# Altium PCB cyber60-mx.PcbDoc (part 1 of 4) (continued)
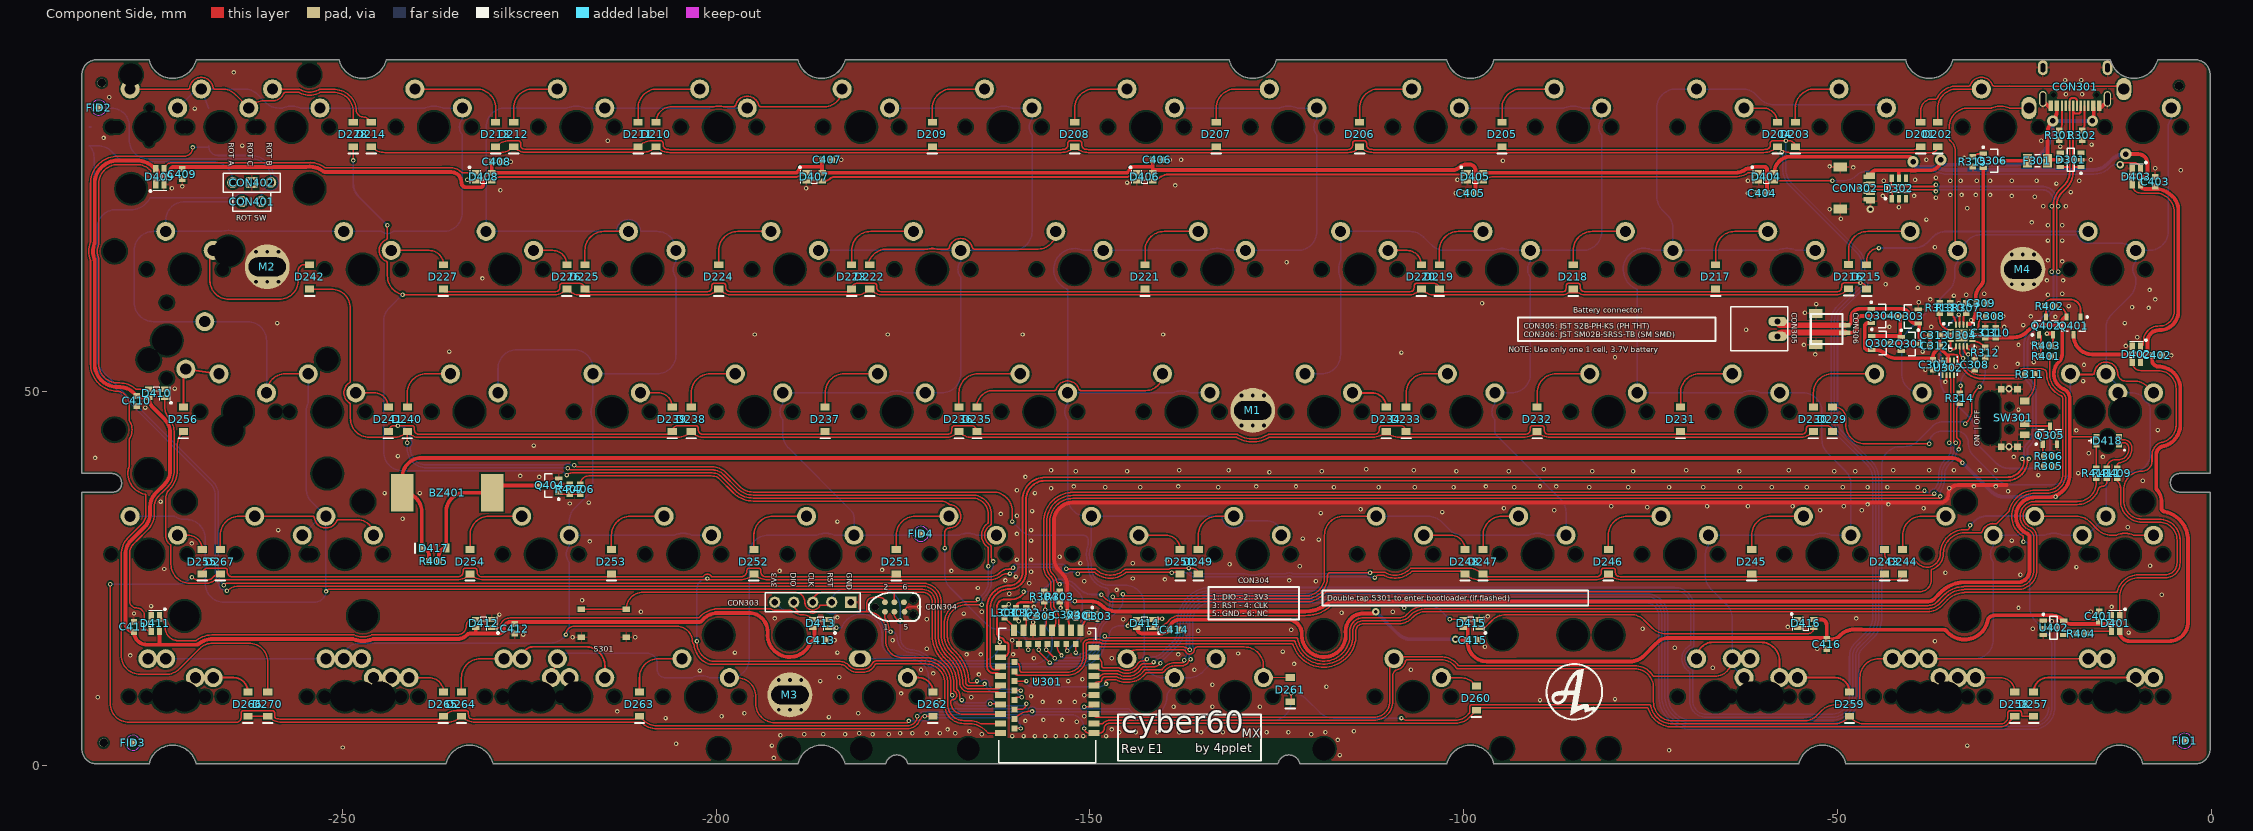
[diagram p0: Component Side view]
## Footprints (in the part's own frame and the unit in brackets; to place one, negate y for a bottom-side part, rotate by r counter-clockwise, add the part's x,y. Pads: shape width x height; smd on the part's side, far side on the other; paste and mask are expansions set on the pad)
8TDFN [mm] "Generated for the MAX17048G+T10"
  rect 0.25x0.8 smd: 1(-0.75,-0.945) 2(-0.25,-0.945) 3(0.25,-0.945) 4(0.75,-0.945) 5(0.75,0.945) 6(0.25,0.945) 7(-0.25,0.945) 8(-0.75,0.945)
  rect 1.2x0.69 smd: 9(0,0)
  silkscreen extent -1.25,-1.5 1.2,1.05, body extent -1.05,-1.1 1.05,1.1, height 0.8
"buzzer 12x12" [mm] "Buzzer"
  rect 3x5 smd: 1(-6,0) 2(6,0)
  body extent -6,-6 6,6, height 3.05
C0402[1005] [mm] "Chip Resistor, 2-Leads, Body 1,00x0,50mm, IPC Medium Density"
  rect 0.55x0.55 smd: 1(-0.45,0) 2(0.45,0)
  body extent -0.32,-0.27 0.33,0.28, height 0.5
C0603[1608] [mm] "Chip Resistor, 2-Leads, Body 1,57x0,80mm, IPC Medium Density"
  rect 0.8x0.85 smd: 1(-0.65,0) 2(0.65,0)
  body extent -0.83,-0.43 0.82,0.43, height 0.5
C1206[3216] [mm]
  rect 1.2x1.8 smd: 1(-1.35,0) 2(1.35,0)
  silkscreen extent -0.35,-0.8 0.35,0.8, body extent -1.6,-0.9 1.6,0.9, height 1.2
E73-2G4M08S1C [mm]
  rect 1.5x0.8 smd: 1(6.25,3.97) 2(6.25,5.24) 3(6.25,6.51) 4(6.25,7.78) 5(6.25,9.05) 6(6.25,10.32) 7(6.25,11.59) 8(6.25,12.86) 9(6.25,14.13) 10(6.25,15.4) 26(-6.25,15.4) 27(-6.25,14.13) 29(-6.25,12.86) 31(-6.25,11.59) 33(-6.25,10.32) 35(-6.25,9.05) 37(-6.25,7.78) 39(-6.25,6.51) 41(-6.25,5.24) 43(-6.25,3.97)
  rect 0.8x1.5 smd: 11(4.44,17.75) 13(3.17,17.75) 15(1.9,17.75) 17(0.63,17.75) 19(-0.64,17.75) 21(-1.91,17.75) 23(-3.18,17.75) 25(-4.45,17.75)
  rect 0.8x0.8 smd: 12(3.81,15.9) 14(2.54,15.9) 16(1.27,15.9) 18(0,15.9) 20(-1.27,15.9) 22(-2.54,15.9) 24(-3.81,15.9) 28(-4.4,13.495) 30(-4.4,12.225) 32(-4.4,10.955) 34(-4.4,9.685) 36(-4.4,8.415) 38(-4.4,7.145) 40(-4.4,5.875) 42(-4.4,4.605)
  silkscreen extent -6.5,0 6.5,18, body extent -6.6,0.02 6.4,18.02, height 3
EC11-SMD [mm]
  rect 1.5x2 smd: 1(-2.5,8) 2(2.5,8) A(-2.5,-8) B(2.5,-8) C(0,-8)
  rect 2.5x3 smd: M(-6.75,0)
  rect 2.5x2.2 smd: M(6.75,0.508)
  round 0 hole 1.2 unplated: ""(-2,0)
  round 0 hole 1.6 slot 2.2 at 90 deg unplated: ""(0,-4.5)
  round 0 hole 2.1 unplated: ""(0,0)
  round 0 hole 1 unplated: ""(2.5,0)
  body extent -7.5,-8.5 7.5,8.5, height 19.5
Fiducial_Nordic [mm]
  round 1 smd paste+0 mask+0.5: 0(0,0)
  Component Side keep-out circle w0.01: c0,0 r1
HDR1X2 [mm] "Connector; Header; 2 Position"
  round 1.5 hole 0.9: 1(0,0) 2(2.54,0)
  silkscreen extent -1.27,-1.27 3.81,1.27
HDR1X3 [mm] "Connector; Header; 3 Position"
  round 1.5 hole 0.9: 1(0,0) 3(5.08,0)
  rect 1.5x1.5 hole 0.9: 2(2.54,0)
  silkscreen extent -1.27,-1.27 6.35,1.27
HDR1X5 [mm] "Connector; Header; 5 Position"
  rect 1.5x1.5 hole 0.9 mask+0.102: 1(0,0)
  round 1.5 hole 0.9 mask+0.102: 2(2.54,0) 3(5.08,0) 4(7.62,0) 5(10.16,0)
  silkscreen extent -1.27,-1.27 11.43,1.27
"JST S2B-PH-K(LF)(SN)" [mm]
  oval 1.25x2.5 hole 0.8: 1(1,0) 2(-1,0)
  body extent -2.95,-1.35 2.95,6.25, height 4.8
"JST SM02B-SRSS-TB" [mm]
  rect 0.6x1.55 smd: 1(-0.5,0) 2(0.5,0)
  rect 1.2x1.8 smd: 3(-2.1,-3.875) 3(2.1,-3.875)
  silkscreen extent -2,-4.57 2,-0.33, body extent -1.99,-4.58 1.99,0.41, height 3
"KOREAN HROPARTS ELEC K3-1296S-E2" [mm]
  rect 1.25x0.9 smd: 1(-2.075,-2.25) 2(-2.075,0.75) 3(-2.075,2.25)
  rect 0.9x0.9 smd: M(-1.1,3.85) M(-1.1,-3.85) M(1.1,3.85) M(1.1,-3.85)
  round 0 hole 0.9 unplated: ""(0,1.5) ""(0,-1.5)
  body extent -2.2,-3.85 2.7,3.85, height 1.45
L0603[1608] [mm] "Chip Resistor, 2-Leads, Body 1,57x0,80mm, IPC Medium Density"
  rect 0.8x0.85 smd: 1(-0.65,0) 2(0.65,0)
  body extent -0.83,-0.43 0.82,0.43, height 0.5
MHT151RGBCT [mm] "For MHT151RGBCT/E6CC1205RGBC3UDA"
  rect 0.8x0.7 smd: 1(1.5,-0.55) 2(-1.5,0.55) 3(1.5,0.55) 4(-1.5,-0.55)
  round 0 hole 2.1 slot 3 at 90 deg unplated: ""(0,0)
  silkscreen extent -2.57,-1.34 2.34,0.3, body extent -1.6,-0.8 1.6,0.8, height 0.33
mounting_hole [mm]
  round 1 hole 0.5 paste+0 mask+0: 1(-1.5,-2) 1(-1.5,2) 1(0,-2) 1(0,2) 1(1.5,-2) 1(1.5,2)
  round 6 hole 2.5 slot 5 at 0 deg mask+0: 1(0,0)
MX-switch#1 [mm]
  round 2.54 hole 1.499 mask+0.102: 1(-3.81,2.54) 2(2.54,5.08)
  round 1 hole 1.702 unplated: ""(-5.08,0) ""(5.08,0)
  round 1 hole 3.988 unplated: ""(0,0)
MX-switch#2 [mm]
  round 2.54 hole 1.5 mask+0.102: 1(-3.81,2.54) 2(2.54,5.08)
  round 1 hole 1.7 unplated: ""(-5.08,0) ""(5.08,0)
  round 1 hole 4 unplated: ""(0,0)
MX-switch#3 [mm]
  round 2.54 hole 1.499 mask+0.102: 1(-3.81,2.54) 2(2.54,5.08)
  round 1 hole 3.988 unplated: ""(0,0)
  round 1 hole 1.702 unplated: ""(5.08,0)
MX-switch#4 [mm]
  round 2.54 hole 1.499 mask+0.102: 1(-3.81,2.54) 2(2.54,5.08)
  round 1 hole 1.702 unplated: ""(-5.08,0)
  round 1 hole 3.988 unplated: ""(0,0)
"MX-switch - 1.5U" [mm]
  round 2.54 hole 1.499 mask+0.102: 1(-3.81,2.54) 2(2.54,5.08)
  round 1 hole 1.702 unplated: ""(-5.08,0) ""(5.08,0)
  round 1 hole 3.988 unplated: ""(0,0)
  round 1 on Mech14: ""(0,0)
"MX-switch - 1.5U - switched pol" [mm]
  round 2.54 hole 1.499 mask+0.102: 1(2.54,5.08) 2(-3.81,2.54)
  round 1 hole 1.702 unplated: ""(-5.08,0) ""(5.08,0)
  round 1 hole 3.988 unplated: ""(0,0)
  round 1 on Mech14: ""(0,0)
"MX-switch - 1.5u MOD-L" [mm]
  round 2.54 hole 1.499 mask+0.102: 1(-6.191,2.54) 1(-3.81,2.54) 2(0.159,5.08) 2(2.54,5.08)
  round 1 hole 1.702 unplated: ""(-7.461,0) ""(-5.08,0) ""(2.699,0) ""(5.08,0)
  round 1 on Mech14: ""(-4.763,0) ""(-2.381,0) ""(0,0) ""(4.763,0)
  round 1 hole 3.988 unplated: ""(-2.381,0) ""(0,0)
"MX-switch - 1.5u MOD-R"#1 [mm]
  round 2.54 hole 1.499 mask+0.102: 1(-3.81,2.54) 1(-1.429,2.54) 2(2.54,5.08) 2(4.921,5.08)
  round 1 hole 1.702 unplated: ""(-2.699,0) ""(5.08,0) ""(7.461,0)
  round 1 on Mech14: ""(-2.381,0) ""(0,0) ""(2.381,0) ""(4.763,0)
  round 1 hole 3.988 unplated: ""(0,0) ""(2.381,0)
"MX-switch - 1.5u MOD-R"#2 [mm]
  round 2.54 hole 1.499 mask+0.102: 1(-3.81,2.54) 1(-1.429,2.54) 2(2.54,5.08) 2(4.921,5.08)
  round 1 hole 1.702 unplated: ""(-5.08,0) ""(-2.699,0) ""(5.08,0) ""(7.461,0)
  round 1 on Mech14: ""(-2.381,0) ""(0,0) ""(2.381,0) ""(4.763,0)
  round 1 hole 3.988 unplated: ""(0,0) ""(2.381,0)
"MX-switch - 1u MOD-L" [mm]
  round 2.54 hole 1.499 mask+0.102: 1(-6.191,2.54) 1(-3.81,2.54) 2(0.159,5.08) 2(2.54,5.08)
  round 1 hole 1.702 unplated: ""(-7.461,0) ""(-5.08,0) ""(5.08,0)
  round 1 hole 3.988 unplated: ""(-2.381,0) ""(0,0)
  round 1 on Mech14: ""(-2.381,0) ""(0,0) ""(2.381,0)
"MX-switch - 1u MOD-R" [mm]
  round 2.54 hole 1.499 mask+0.102: 1(-3.81,2.54) 1(-1.429,2.54) 2(2.54,5.08) 2(4.921,5.08)
  round 1 hole 1.702 unplated: ""(-5.08,0) ""(5.08,0) ""(7.461,0)
  round 1 on Mech14: ""(-4.763,0) ""(-2.381,0) ""(0,0) ""(2.381,0)
  round 1 hole 3.988 unplated: ""(0,0) ""(2.381,0)
"MX-switch - 2.75U - rotated stab"#1 [mil]
  round 100 hole 59 mask+4: 1(-150,100) 2(100,200)
  round 60 hole 120 unplated: ""(-470,-275) ""(470,-275)
  round 60 hole 157.01 unplated: ""(-470,325) ""(470,325)
  round 39.37 hole 67.01 unplated: ""(-200,0) ""(200,0)
  round 39.37 hole 157.01 unplated: ""(0,0)
  round 39.37 on Mech14: ""(0,0)
"MX-switch - 2.75U - rotated stab"#2 [mil]
  round 100 hole 59 mask+4: 1(-150,100)
  oval 118.11x86.61 hole 59 mask+4: 2(100,200)
  round 60 hole 120 unplated: ""(-470,-275) ""(470,-275)
  round 60 hole 157.01 unplated: ""(-470,325) ""(470,325)
  round 39.37 hole 67.01 unplated: ""(-200,0) ""(200,0)
  round 39.37 hole 157.01 unplated: ""(0,0)
  round 39.37 on Mech14: ""(0,0)
"MX-SWITCH - BACKSPACE" [mil]
  round 100 hole 59 mask+4: 1(100,200) 1(225,100) 2(-150,100) 2(475,200)
  round 60 hole 157.01 unplated: ""(-470,-325) ""(470,-325)
  round 60 hole 120 unplated: ""(-470,275) ""(470,275)
  round 39.37 hole 67.01 unplated: ""(-200,0) ""(175,0) ""(200,0) ""(575,0)
  round 39.37 hole 157.01 unplated: ""(0,0) ""(375,0)
  round 39.37 on Mech14: ""(0,0) ""(375,0)
"MX-switch - CAPS" [mm]
  round 2.54 hole 1.499 mask+0.102: 1(-8.572,2.54) 1(2.54,5.08) 2(-3.81,2.54) 2(-2.222,5.08)
  round 1 hole 1.702 unplated: ""(-9.842,0) ""(5.08,0)
  round 1 hole 3.988 unplated: ""(-4.763,0) ""(0,0)
  round 1 on Mech14: ""(-4.763,0) ""(0,0)
"MX-switch - Left shift" [mil]
  round 100 hole 59 mask+4: 1(-525,100) 1(100,200) 2(-275,200) 2(-150,100)
  round 39.37 hole 67.01 unplated: ""(-575,0) ""(-200,0) ""(-175,0) ""(200,0)
  round 60 hole 157.01 unplated: ""(-470,-325) ""(470,-325)
  round 60 hole 120 unplated: ""(-470,275) ""(470,275)
  round 39.37 hole 157.01 unplated: ""(-375,0) ""(0,0)
  round 39.37 on Mech14: ""(-375,0) ""(0,0)
"MX-switch - right shift" [mil]
  round 100 hole 59 mask+4: 1(-525,100) 1(100,200) 2(-275,200) 2(-150,100)
  round 39.37 hole 67.01 unplated: ""(-575,0) ""(-200,0) ""(-175,0) ""(200,0)
  round 60 hole 157.01 unplated: ""(-470,-325) ""(470,-325)
  round 60 hole 120 unplated: ""(-470,275) ""(470,275)
  round 39.37 hole 157.01 unplated: ""(-375,0) ""(0,0)
  round 39.37 on Mech14: ""(-375,0) ""(0,0)
"MX-switch - Space_V2" [mil]
  round 100 hole 59 mask+4: 1(-368.75,200) 1(-150,100) 2(-618.75,100) 2(100,200)
  round 60 hole 120 unplated: ""(-2437.4,-275) ""(-2250,-275) ""(1499.61,-275) ""(2250,-275)
  round 60 hole 157.01 unplated: ""(-2437.4,325) ""(-2250,325) ""(1499.61,325) ""(2250,325)
  round 39.37 hole 67.01 unplated: ""(-668.75,0) ""(-268.75,0) ""(-200,0) ""(200,0)
  round 39.37 hole 157.01 unplated: ""(-468.75,0) ""(0,0)
  round 39.37 on Mech14: ""(-468.75,0) ""(0,0)
"MX-SWITCH - SWITCHED POL"#1 [mm]
  oval 2x3 hole 1.499 mask+0.102: 1(2.54,5.08)
  round 2.54 hole 1.499 mask+0.102: 2(-3.81,2.54)
  round 1 hole 1.702 unplated: ""(-5.08,0) ""(5.08,0)
  round 1 hole 3.988 unplated: ""(0,0)
"MX-SWITCH - SWITCHED POL"#2 [mm]
  round 2.54 hole 1.499 mask+0.102: 1(2.54,5.08) 2(-3.81,2.54)
  round 1 hole 1.702 unplated: ""(-5.08,0) ""(5.08,0)
  round 1 hole 3.988 unplated: ""(0,0)
"MX-switch - switched pol"#1 [mm]
  round 2.54 hole 1.499 mask+0.102: 1(2.54,5.08) 2(-3.81,2.54)
  round 1 hole 1.702 unplated: ""(-5.08,0) ""(5.08,0)
  round 1 hole 3.988 unplated: ""(0,0)
"MX-switch - switched pol"#2 [mm]
  round 2.54 hole 1.5 mask+0.102: 1(2.54,5.08) 2(-3.81,2.54)
  round 1 hole 1.7 unplated: ""(-5.08,0) ""(5.08,0)
  round 1 hole 4 unplated: ""(0,0)
"MX-switch - switched pol"#3 [mm]
  round 2.54 hole 1.499 mask+0.102: 1(2.54,5.08) 2(-3.81,2.54)
  round 1 hole 3.988 unplated: ""(0,0)
  round 1 hole 1.702 unplated: ""(5.08,0)
"MX-switch - switched pol - connector" [mm]
  round 2.54 hole 1.499 mask+0.102: 1(2.54,5.08)
  oval 2x3 hole 1.499 mask+0.102: 2(-3.81,2.54)
  round 1 hole 1.702 unplated: ""(-5.08,0) ""(5.08,0)
  round 1 hole 3.988 unplated: ""(0,0)
QFN16 [mm] "Generated for BQ24075RGTR"
  oval 0.85x0.25 smd: 1(-1.45,0.75) 2(-1.45,0.25) 3(-1.45,-0.25) 4(-1.45,-0.75) 9(1.45,-0.75) 10(1.45,-0.25) 11(1.45,0.25) 12(1.45,0.75)
  oval 0.25x0.85 smd: 5(-0.75,-1.45) 6(-0.25,-1.45) 7(0.25,-1.45) 8(0.75,-1.45) 13(0.75,1.45) 14(0.25,1.45) 15(-0.25,1.45) 16(-0.75,1.45)
  rect 1.6x1.6 smd: 17(0,0)
  silkscreen extent -2.5,-1.73 1.73,1.73, body extent -1.66,-1.66 1.66,1.66, height 1
R0603[1608] [mm] "Chip Resistor, 2-Leads, Body 1,57x0,80mm, IPC Medium Density"
  rect 0.8x0.85 smd: 1(-0.65,0) 2(0.65,0)
  body extent -0.83,-0.43 0.82,0.43, height 0.5
SOD-123 [mm]
  rect 0.91x1.22 smd: 1(1.635,0) 2(-1.635,0)
  silkscreen extent -2.54,-0.64 -2.54,0.63, body extent -1.87,-0.85 1.88,0.85, height 1.2
SOT-23-3 [mm] "3.3v regulator, used in Windsond S2 proto 1"
  rect 1x0.55 smd: 1(1.2,-0.95) 2(1.2,0.95) 3(-1.2,0)
  silkscreen extent -0.7,-1.95 1.32,1.55, body extent -1.1,-1.5 1.45,1.5, height 1
SOT-23-5 [mm]
  rect 0.55x1 smd: 1(-0.95,-1.375) 2(0,-1.375) 3(0.95,-1.375) 4(0.95,1.375) 5(-0.95,1.375)
  silkscreen extent -1.92,-1.5 1.55,0.46, body extent -1.5,-1.6 1.5,1.6, height 0.92
SOT-23-6 [mm]
  rect 1x0.55 smd: 1(1.375,-0.95) 2(1.375,0) 3(1.375,0.95) 4(-1.375,0.95) 5(-1.375,0) 6(-1.375,-0.95)
  silkscreen extent -0.46,-1.92 1.5,1.55, body extent -1.47,-1.49 1.37,1.44, height 1.05
"Stab 2u" [mil]
  round 60 hole 157.48 unplated: ""(-470,-325) ""(470,-325)
  round 60 hole 120 unplated: ""(-470,275) ""(470,275)
  round 39.37 on Mech14: ""(0,0) ""(0,0)
TC2030-IDC-NL [mm] "Tag-Connect 6-Pin with No Legs (PN# TC2030-IDC-NL)"
  round 0.9 hole 0.995 unplated: 0(-2.54,0) 0(2.54,-1.016) 0(2.54,1.016)
  round 0.79 smd paste-0.39: 1(-1.27,-0.635) 2(-1.27,0.635) 3(0,-0.635) 4(0,0.635) 5(1.35,-0.635) 6(1.27,0.635)
  silkscreen extent -3.43,-1.91 3.43,1.9
TYPE-C-31-M-12 [mm]
  rect 0.6x1.45 smd: A1B12(-3.25,0) A4B9(-2.45,0) B1A12(3.25,0) B4A9(2.45,0)
  rect 0.3x1.45 smd: A5(-1.25,0) A6(-0.25,0) A7(0.25,0) A8(1.25,0) B5(1.75,0) B6(0.75,0) B7(-0.75,0) B8(-1.75,0)
  oval 1x2.1 / inner oval 1.3x2.4 / far side oval 1.3x2.4 hole 0.6 slot 1.7 at 90 deg: S1(-4.32,-0.915)
  oval 1.3x2 hole 0.6 slot 1.2 at 90 deg: S1(-4.32,-5.095) S1(4.32,-5.095)
  oval 1x2.1 hole 0.6 slot 1.7 at 90 deg: S1(4.32,-0.915)
  round 0 hole 0.65 unplated: ""(-2.89,-1.445) ""(2.89,-1.445)
  body extent -4.47,-7.72 4.47,0.18, height 3.21
UDB_COMBO_JST_MOLEX [mm]
  rect 0.6x1.2 smd: 1(-1.8,2.2) 2(-0.6,2.2) 3(0.6,2.2) 4(1.8,2.2)
  rect 0.6x1.55 smd: 1(-1.5,2.021) 2(-0.5,2.021) 3(0.5,2.021) 4(1.5,2.021)
  rect 0.85x1 smd: 5(-2.94,-1.887) 5(2.94,-1.887)
  rect 1.2x1.8 smd: 5(-2.8,-1.854) 5(2.8,-1.854)
  body extent -3.01,-2.62 2.99,2.33, height 2.96
"WS2812B - 2020" [mm]
  rect 1x0.7 smd: 1(1.065,0.55) 2(-1.065,0.55) 3(-1.065,-0.55) 4(1.065,-0.55)
  silkscreen extent -2.03,-0.89 0.38,1.4, body extent -1.1,-1 1.1,1, height 0.86
"XKB SWITCH" [mm] "XKB Enterprise TS-1187A-C-D-B"
  rect 1x0.75 smd: 1(-3,1.875) 1(3,1.875) 2(-3,-1.875) 2(3,-1.875)
  body extent -3.25,-2.55 3.25,2.55, height 2
XTAL-2012 [mm]
  rect 0.7x1.4 smd: 1(-0.75,0) 2(0.75,0)
  silkscreen extent -1.57,-1.19 -1.32,-0.94

## Part data
BZ401: library part Speaker, "Loudspeaker", LCSC MFG=Fengming, LCSC Part #=C409829, MRF.Part=YS-SBZ1230
C301 C307 C309 C401 C402 C403 C404 C405 C406 C407 C408 C409 C410 C411 C412 C413 C414 C415 C416: library part Cap, "Capacitor", LCSC MFG=YAGEO, LCSC Part #=C14663, MRF.Part=CC0603KRX7R9BB104, Version="0603 imperial"
  C401 C402 C403 C404 C405 C406 C407 C408 C409 C410 C411 C412 C413 C414 C415 C416: MFG=KEMET, MFGPN=C0603C104M5RACTU
C302 C311 C313: library part Cap, "Capacitor", LCSC MFG="Samsung Electro-Mechanics", LCSC Part #=C19666, MRF.Part=CL10A475KO8NNNC
  C302: Version="0603 imperial"
C303 C304: library part Cap, "Capacitor", LCSC MFG="FH (Guangdong Fenghua Advanced Tech)", LCSC Part #=C1547, MRF.Part=0402CG120J500NT, Version=0402
C305 C308 C310 C312: library part Cap, "Capacitor", LCSC MFG="Samsung Electro-Mechanics", LCSC Part #=C15849, MRF.Part=CL10A105KB8NNNC, Version="0603 imperial"
CON301: LCSC MFG="Korean Hroparts Elec", LCSC Part #=C165948, MFG="Korean Hroparts Elec", MFGPN=TYPE-C-31-M-12, MRF.Part=TYPE-C-31-M-12
CON302: "JST for USB daughter board", LCSC MFG="JST Sales America", LCSC Part #=C160404, MFG="JST Sales America Inc.", MFGPN=SM04B-SRSS-TB(LF)(SN), MRF.Part=SM04B-SRSS-TB(LF)(SN)
CON303: "Header, 5-Pin"
CON304: library part "Header 3X2", "Header, 3-Pin, Dual row"
CON305: library part "Header 2", "Header, 2-Pin", LCSC MFG="JST Sales America", LCSC Part #=C265016, MRF.Part=S2B-PH-K(LF)(SN)
CON306: library part "JST S2B-PH-SM4-TB", LCSC MFG="JST Sales America", LCSC Part #=C160402, MRF.Part=SM02B-SRSS-TB(LF)(SN)
CON401: "Header, 2-Pin"
CON402: "Header, 3-Pin"
D201 D202 D203 D204 D205 D206 D207 D208 D209 D210 D211 D212 D213 D214 D215 D216 D217 D218 D219 D220 D221 D222 D223 D224 D225 D226 D227 D228 D229 D230 D231 D232 D233 D234 D235 D236 D237 D238 D239 D240 D241 D242 D243 D244 D245 D246 D247 D248 D249 D250 D251 D252 D253 D254 D255 D256 D257 D258 D259 D260 D261 D262 D263 D264 D265 D266 D267 D270: "Default Diode", LCSC MFG=ST(Semtech), LCSC Part #=C81598, MRF.Part=1N4148W, Version=SOD-123
D301 D302: LCSC MFG="ProTek Devices", LCSC Part #=C85364, MRF.Part=SRV05-4-P-T7
D401 D402 D403 D404 D405 D406 D407 D408 D409 D410 D411 D412 D413 D414 D415 D416: LCSC MFG=Worldsemi, LCSC Part #=C965556, MRF.Part=WS2812C-2020
D417: library part Diode, "Default Diode", LCSC MFG="Changjiang Electronics Tech (CJ)", LCSC Part #=C8598, MRF.Part=B5819W, Version=SOD-123
D418: LCSC MFG=EKINGLUX, LCSC Part #=C2802677, MRF.Part=E6CC1205RGBC3UDA
F301: "Thermal Fuse", LCSC MFG="Shenzhen JDT Fuse", LCSC Part #=C135338, MFG="Bel Fuse Inc.", MFGPN=0ZCJ0050FF2G, MRF.Part=ASMD1206-050
L301: LCSC MFG="Taiyo Yuden", LCSC Part #=C92982, MRF.Part=CBMF1608T100K
Q301 Q303 Q305 Q402 Q404: library part MOSFET-N, "N-Channel MOSFET", LCSC MFG="Changjiang Electronics Tech (CJ)", LCSC Part #=C8545, MRF.Part=2N7002
Q302 Q304 Q306 Q401: library part PMOS-2, "P-Channel Power MOSFET", LCSC MFG="Vishay Intertech", LCSC Part #=C10487, MRF.Part=SI2301CDS-T1-GE3, Note="Pin 4 not drawn and electrically connected to Pin 2."
R301 R302: "Resistor", LCSC MFG="Uniroyal Elec", LCSC Part #=C23186, MFG="Panasonic Electronic Components", MFGPN=ERJ-3EKF5101V, MRF.Part=0603WAF5101T5E, Version="0603 imperial"
R303 R304 R306 R311 R312 R313 R314: "Resistor", LCSC MFG="Uniroyal Elec", LCSC Part #=C25804, MRF.Part=0603WAF1002T5E, Version="0603 imperial"
R305: "Resistor", LCSC MFG="UNI-ROYAL(Uniroyal Elec)", LCSC Part #=C22775, MRF.Part=0603WAF1000T5E, Version="0603 imperial"
R307: "Resistor", LCSC MFG="UNI-ROYAL(Uniroyal Elec)", LCSC Part #=C25819, MRF.Part=0603WAF4702T5E, Version="0603 imperial"
R308 R315: "Resistor", LCSC MFG="UNI-ROYAL(Uniroyal Elec)", LCSC Part #=C22843, MRF.Part=0603WAF1501T5E, Version="0603 imperial"
R310: "Resistor", LCSC MFG="UNI-ROYAL(Uniroyal Elec)", LCSC Part #=C23018, MRF.Part=0603WAF3901T5E, Version="0603 imperial"
R401 R404 R406 R409 R410 R411: "Resistor", LCSC MFG="Uniroyal Elec", LCSC Part #=C23138, MRF.Part=0603WAF3300T5E, Version="0603 imperial"
R402: "Resistor", LCSC MFG="Uniroyal Elec", LCSC Part #=C22976, MRF.Part=0603WAF2004T5E, Version="0603 imperial"
R403: "Resistor", LCSC MFG="Uniroyal Elec", LCSC Part #=C22935, MRF.Part=0603WAF1004T5E, Version="0603 imperial"
R405: "Resistor", LCSC MFG="Uniroyal Elec", LCSC Part #=C23228, MRF.Part=0603WAF6800T5E, Version="0603 imperial"
R407: "Resistor", LCSC MFG="Uniroyal Elec", LCSC Part #=C25803, MRF.Part=0603WAF1003T5E, Version="0603 imperial"
S201 S202 S203 S204 S205 S206 S207 S208 S209 S210 S211 S212 S213 S214 S216 S217 S218 S219 S220 S221 S222 S223 S224 S225 S226 S227 S228 S229 S230 S231 S232 S233 S234 S235 S236 S237 S238 S239 S240 S241 S242 S243 S244 S245 S246 S247 S248 S249 S250 S251 S252 S253 S254 S255 S256 S256_1 S257 S258 S258_1 S259 S259_1 S260 S261 S262 S263 S264 S264_1 S265 S265_1 S266 S267: library part SW-PB, "Switch"
S215: library part SW-PB, "TAB"
S301: "Switch", LCSC MFG="XKB Enterprise", LCSC Part #=C318888, MRF.Part=TS-1187A-C-D-B
SW301: LCSC MFG="Korean Hroparts Elec", LCSC Part #=C136659, MFGPN=K3-1296S-E2
U301: LCSC MFG="Chengdu Ebyte Elec Tech", LCSC Part #=C356849, MRF.Part=E73-2G4M08S1C
U302: LCSC MFG="Analog Devices Inc./Maxim Integrated", LCSC Part #=C2682616, MRF.Part=MAX17048G+T10
U304: LCSC MFG="Texas Instruments", LCSC Part #=C15464, MRF.Part=BQ24075RGTR
U401: library part EC-11
U402: "SN74LV1T125 or SN74LV1T34. Connect OE to GND", LCSC MFG="Texas Instruments", LCSC Part #=C473338, MRF.Part=SN74LV1T125DBVR, Version=SOT-23
X301: "Crystal Oscillator", LCSC MFG="Seiko Epson", LCSC Part #=C55208, MRF.Part=X1A0000610002, Version="3225, 18pF"
M1 M2 M3 M4: LatestRevisionDate=17-Jul-2002, LatestRevisionNote="Re-released for DXP Platform.", Publisher="Altium Limited"

## Free pads (board coordinates)
  round 1.152 hole 1.152 unplated paste+0.148 mask+0.148: ""(-282.194,91.313) ""(-281.94,3.048) ""(-4.318,90.932)
  round 0 hole 2.5 slot 7 at 90 deg unplated: ""(-29.575,46.482)

## Via types
v1: diameter 0.6, hole 0.3, Component Side to Bottom Layer, tented both sides, 532 vias
v2: diameter 1, hole 0.5, Component Side to Bottom Layer, tented both sides, 6 vias
v3: diameter 1.5, hole 0.75, Component Side to Bottom Layer, tented both sides, 5 vias

## Nets (pads, with @x,y where several pads share a name; then routed paths per layer and width w, separated by ;. In a path a pad name is that pad's centre, name@x,y a point inside that pad or via, vN(x,y) a via of type N, cw(c..) or ccw(c..) an arc to the next point about the centre after c; other vN are vias at no path point)
BLUE: R410.2 U301.20 | length 166.1
  Component Side w0.203: U301.20@-156.972,16.256 cw(c-157.279,15.949) -156.845,15.949 v1(-156.845,15.494) ccw(c-156.278,15.494) -156.679,15.093 v1(-155.359,13.773) ; v1@-148.13,17.105 ccw(c-148.026,17.279) -148.027,17.076 -122.38,17.076 cw(c-122.381,16.873) -122.181,16.906 ccw(c-118.718,17.47) -115.261,16.872 -115.261,16.874 ccw(c-118.718,17.47) -115.236,17.903 cw(c-115.035,17.927) -115.238,17.926 ccw(c-115.441,17.934) -115.238,17.938 -115.238,17.944 cw(c-114.835,17.95) -115.238,17.949 cw(c-114.835,17.95) -115.238,17.952 cw(c-114.835,17.95) -115.238,17.957 ccw(c-115.441,17.96) -115.238,17.962 -115.238,17.966 ccw(c-115.441,17.967) -115.238,17.969 ; -115.238,17.97 cw(c-113.426,17.973) -115.238,17.973 cw(c-113.426,17.973) -113.426,19.785 -108.625,19.785 ccw(c-108.625,21.283) -107.565,20.225 -107.372,20.417 cw(c-105.006,18.052) -106.53,21.031 cw(c-105.006,18.052) -105.006,21.398 -103.378,21.398 -102.235,21.398 -37.889,21.398 ccw(c-37.889,23.132) -37.277,21.51 ccw(c-37.889,23.132) -36.663,21.906 -35.976,22.593 -35.863,22.706 cw(c-32.994,20.01) -35.137,23.313 cw(c-32.994,20.01) -33.994,23.818 cw(c-32.994,20.01) -33.169,23.943 ccw(c-33.178,24.146) -33.146,23.945 cw(c-33.02,23.149) -33.02,23.955 -25.892,23.955 ccw(c-25.892,26.092) -24.583,24.403 ccw(c-25.892,26.092) -24.088,24.946 ; -24.396,24.567 ccw(c-25.892,26.092) -23.755,26.092 -23.755,30.561 ccw(c-24.819,30.563) -23.755,30.566 ccw(c-24.819,30.563) -24.389,31.536 cw(c-23.596,33.345) -23.569,35.32 ccw(c-23.566,35.523) -23.566,35.32 -19.304,35.32 -17.907,35.32 ccw(c-17.907,37.86) -15.367,37.86 R410.2@-15.367,38.212
  Bottom Layer w0.203: v1@-155.321,13.589 -151.835,13.589 ccw(c-151.835,17.2) -148.226,17.084 cw(c-148.023,17.076) v1(-148.026,17.279)
BUZZ: R406.2 U301.22 | length 80.3
  Component Side w0.203: R406.2@-218.186,37.607 cw(c-217.054,37.607) -217.054,38.739 -200.679,38.739 cw(c-200.679,36.557) -199.975,38.623 cw(c-200.042,38.431) -199.958,38.616 cw(c-200.523,37.383) -199.56,38.338 ; v1(-169.418,29.083) -169.418,31.141 cw(c-168.784,31.141) -168.823,31.774 ; -168.784,31.775 cw(c-168.852,33.345) -168.823,31.774 ; -168.642,34.902 ccw(c-168.852,33.345) -168.723,34.911 ; v1(-158.242,15.494) U301.22@-158.242,16.256 ; -199.56,38.338 -199.229,38.007 ; -199.56,38.338 -199.229,38.007 ; -199.229,38.007 -198.12,36.897 -197.709,36.486 ccw(c-197.421,36.769) -197.706,36.483 ccw(c-197.132,37.05) -197.699,36.477 ccw(c-195.035,39.151) -195.035,35.376 -194.467,35.376 ccw(c-194.46,37.941) -194.46,35.376 -170.05,35.376 cw(c-170.05,33.404) -168.832,34.954 ccw(c-168.706,35.114) -168.724,34.911 ccw(c-168.706,35.114) -168.723,34.911 ; -168.823,31.774 ccw(c-168.852,33.345) -168.723,34.911
  Bottom Layer w0.203: v1(-169.418,29.083) -169.418,25.563 ccw(c-166.878,25.563) -168.674,23.767 -163.812,18.905 ccw(c-162.016,20.701) -162.016,18.161 -160.807,18.161 cw(c-160.807,15.596) -158.242,15.596 v1(-158.242,15.494)
CHG: R312.2 U301.6 | length 183.5
  Component Side w0.203: U301.6@-149.452,10.676 cw(c-148.952,10.676) -148.952,11.176 -148.717,11.176 ccw(c-148.717,11.493) -148.4,11.493 -148.4,11.541 cw(c-148.197,11.535) -148.377,11.629 cw(c-147.969,11.414) -147.969,11.876 -146.411,11.876 ccw(c-145.039,14.295) -145.045,11.514 ccw(c-145.039,14.295) -145.034,11.514 ccw(c-145.039,14.295) -143.973,11.726 ccw(c-145.039,14.295) -142.742,12.728 cw(c-142.574,12.613) -142.585,12.816 -142.24,12.816 -140.463,12.816 ccw(c-140.463,13.019) -140.298,12.901 cw(c-138.689,11.755) -139.542,13.536 cw(c-138.689,11.755) -138.684,13.73 -137.732,13.73 ccw(c-137.732,14.081) v1(-137.381,14.081) ; v1(-32.893,45.72) -32.755,45.858 ccw(c-34.569,47.672) -32.004,47.672 -32.004,48.594 cw(c-29.439,48.594) -31.253,50.408 v1(-30.988,50.673) ; v1@-30.226,53.594 R312.2@-30.226,54.595
  Bottom Layer w0.203: v1@-137.381,14.103 cw(c-136.779,14.097) -137.179,14.546 ; v1@-137.381,14.104 cw(c-136.779,14.097) -137.179,14.546 ; -50.166,5.632 -69.364,5.632 cw(c-69.358,9.382) -71.628,6.397 cw(c-69.358,9.382) -72.776,7.839 cw(c-69.358,9.382) -73.108,9.376 cw(c-69.358,9.382) -73.108,9.382 -73.108,12.562 -73.108,15.113 -73.108,20.066 ccw(c-75.648,20.066) -75.648,22.606 -133.858,22.606 ccw(c-133.858,19.663) -135.592,22.041 cw(c-135.711,22.205) -135.598,22.037 ccw(c-133.731,19.26) -137.077,19.26 -137.077,15.998 cw(c-137.281,15.997) -137.122,15.87 ccw(c-136.652,15.494) -137.121,15.117 cw(c-137.279,14.989) -137.077,15.015 ; -50.165,5.632 cw(c-49.997,5.517) -50.041,5.716 ccw(c-50.816,9.271) -47.177,9.271 -47.177,14.569 cw(c-45.847,14.569) -47.176,14.626 cw(c-46.973,14.615) -47.174,14.644 -47.17,14.676 ccw(c-48.168,14.827) -47.16,14.776 cw(c-46.957,14.765) -47.157,14.799 -47.155,14.811 cw(c-46.955,14.778) -47.155,14.814 cw(c-45.847,14.569) -46.785,15.513 -45.172,17.126 ccw(c-47.822,19.778) -44.073,19.778 -44.073,40.132 cw(c-41.533,40.132) -41.533,42.672 -41.057,42.672 ccw(c-41.057,45.212) -39.261,43.416 -37.242,45.435 cw(c-35.941,44.134) -35.941,45.974 v1@-33.02,45.974 ; v1(-30.988,50.673) ccw(c-32.771,52.456) -30.25,52.456 v1(-30.25,53.612) ; -137.179,14.546 ccw(c-137.314,14.698) -137.116,14.654 ; -137.179,14.546 ccw(c-137.314,14.698) -137.116,14.654 ; -137.116,14.654 ccw(c-138.793,15.015) -137.108,14.691 ; -137.116,14.654 ccw(c-138.793,15.015) -137.109,14.687 cw(c-136.513,14.574) -137.108,14.691 ; -137.108,14.691 ccw(c-138.793,15.015) -137.077,15.015 ; -137.108,14.691 cw(c-136.513,14.574) -137.095,14.745 cw(c-135.045,14.141) -137.062,14.847 ccw(c-137.254,14.914) -137.077,15.015
col1: S201.2 S202.2 S215.2 S216.2 S229.2 S230.2 S243.2 S244.2 S257.2 S258.2 S258_1.2 U301.2 | length 332.1
  Component Side w0.203: U301.2@-149.452,5.596 -148.375,5.596 ccw(c-148.376,5.799) -148.222,5.667 cw(c-147.387,4.953) -147.387,6.052 -112.014,6.052 ccw(c-112.014,8.592) -109.474,8.592 -109.474,11.994 cw(c-108.534,11.994) -109.157,12.698 cw(c-109.023,12.545) -109.058,12.745 ccw(c-109.32,14.295) -108.534,12.934 ccw(c-109.32,14.295) -107.825,13.811 ; -108.393,13.026 ccw(c-109.32,14.295) -107.825,13.811 ; S258_1.2@-42.64,14.295 -44.45,14.295 ccw(c-44.45,11.755) -46.99,11.755 -46.99,9.271 cw(c-48.133,9.271) -48.133,8.128 -50.256,8.128 ccw(c-50.256,5.588) -52.052,7.384 -52.723,6.713 cw(c-54.519,8.509) -54.519,5.969 -72.074,5.969 cw(c-72.074,8.509) -74.614,8.509 -74.614,10.425 ccw(c-77.154,10.425) -77.154,12.965 -100.811,12.965 cw(c-100.81,13.168) -100.979,13.056 ccw(c-102.97,11.755) -103.008,14.133 -107.584,14.133 ccw(c-107.583,13.93) -107.782,13.973 cw(c-109.32,14.295) -107.825,13.811 ; S258.2@-40.561,14.17 ccw(c-40.561,14.597) S258.2@-40.259,14.295 ; S258.2@-37.878,14.295 S257.2@-16.452,14.295 ; -35.052,85.414 -35.052,83.841 ccw(c-34.849,83.841) -34.985,83.69 ccw(c-34.788,83.74) -34.912,83.579 cw(c-35.966,82.219) -34.246,82.219 -34.246,69.059 ccw(c-34.092,69.059) S216.2@-34.092,68.905 ; -35.052,85.415 cw(c-32.512,85.415) -32.772,87.942 -32.772,87.955 -32.513,87.955 -29.423,87.955 ccw(c-29.423,88.158) -29.341,87.973 cw(c-28.2,85.415) -27.059,87.973 ccw(c-26.977,88.158) -26.977,87.955 S202.2@-24.39,87.955
  Component Side w0.254: S201.2@-5.34,87.955 S201.2@-5.334,87.949
  Bottom Layer w0.203: S230.2@-38.677,50.297 -39.108,49.867 cw(c-38.862,52.395) -41.402,52.395 -41.402,56.225 cw(c-38.862,56.225) -40.658,58.021 -35.045,63.634 ccw(c-36.841,65.43) -34.301,65.43 -34.301,66.421 cw(c-32.645,66.365) -33.957,67.377 ccw(c-34.118,67.501) -33.915,67.502 S216.2@-33.915,68.905 -32.548,70.272 cw(c-30.751,68.476) -30.751,71.016 -18.112,71.016 cw(c-18.111,70.813) -17.921,70.886 ccw(c-16.452,71.445) -16.452,69.873 -12.123,69.873 cw(c-12.123,67.333) -10.327,69.129 S215.2@-10.102,68.905 -8.292,68.905 ccw(c-8.292,71.445) -5.752,71.445 -5.752,85.472 cw(c-4.07,85.415) -5.394,86.453 ccw(c-5.594,86.61) -5.34,86.611 S201.2@-5.34,87.955 ; S258.2@-37.878,14.295 -31.69,14.295 ccw(c-31.69,16.835) -29.15,16.835 -29.15,27.128 ccw(c-29.353,27.129) -29.192,27.253 cw(c-27.88,28.265) -29.192,29.277 ccw(c-29.353,29.401) -29.15,29.402 S244.2@-29.15,30.805 -25.88,30.805 ccw(c-25.88,31.008) -25.762,30.843 cw(c-25.119,29.943) -24.474,30.842 ccw(c-24.357,31.008) -24.357,30.805 -22.28,30.805 ccw(c-22.28,31.008) -22.197,30.823 cw(c-21.056,28.265) -19.916,30.823 ccw(c-19.833,31.008) -19.833,30.805 S243.2@-17.246,30.805 -16.611,30.805 S243.2@-14.071,33.345 -14.071,36.983 cw(c-11.811,36.983) -12.187,39.212 -10.668,39.212 ccw(c-10.668,41.752) -8.128,41.752 -8.128,47.315 ccw(c-10.668,47.315) -8.355,48.364 ccw(c-8.54,48.28) -8.446,48.461 cw(c-7.721,49.855) -9.207,49.344 ccw(c-9.399,49.278) -9.289,49.448 ccw(c-10.668,47.315) -10.668,49.855 S229.2@-12.484,49.855 -12.484,50.808 S229.2@-14.071,52.395 -14.071,58.537 cw(c-11.531,58.537) -13.327,60.333 -10.846,62.814 ccw(c-12.642,64.61) -10.102,64.61 -10.102,65.228 ccw(c-10.306,65.229) -10.145,65.353 cw(c-8.832,66.365) -10.204,65.435 cw(c-8.832,66.365) -10.145,67.377 ccw(c-10.306,67.501) -10.102,67.502 S215.2@-10.102,68.707
col2: S203.2 S204.2 S217.2 S218.2 S231.2 S232.2 S245.2 S246.2 S259.2 S259_1.2 S260.2 U301.3 | length 277.9
  Component Side w0.203: U301.3@-149.452,6.866 ccw(c-149.041,6.866) -149.041,6.455 -112.014,6.455 ccw(c-112.014,8.592) -110.656,6.942 ccw(c-110.786,7.098) -110.643,6.954 -110.638,6.958 cw(c-110.495,6.814) -110.624,6.971 -110.584,7.004 ccw(c-110.713,7.161) -110.577,7.01 ccw(c-112.014,8.592) -109.877,8.592 -109.877,13.738 cw(c-109.32,13.738) S260.2@-109.32,14.295 cw(c-109.079,14.295) -109.079,14.536 -107.188,14.536 -103.011,14.536 cw(c-102.97,11.755) -102.38,14.473 cw(c-102.97,11.755) -100.762,13.446 ccw(c-100.602,13.571) -100.603,13.368 -77.154,13.368 cw(c-77.154,10.425) -74.687,12.029 ccw(c-74.517,12.141) -74.518,11.938 -66.434,11.938 ccw(c-66.434,14.295) S259.2@-64.077,14.295 ; S259.2@-64.439,14.573 cw(c-64.439,14.37) -64.296,14.514 S259.2@-64.078,14.296
  Bottom Layer w0.203: S259.2@-65.124,14.295 S259.2@-64.077,14.295 ; S259_1.2@-62.489,11.755 -63.404,12.67 cw(c-61.779,14.295) S259.2@-64.077,14.295 ; S217.2@-52.965,68.905 -55.479,68.905 cw(c-55.479,69.159) -55.586,68.929 ccw(c-56.775,66.365) -57.964,68.929 cw(c-58.071,69.159) -58.071,68.905 S218.2@-72.015,68.905 ; S203.2@-43.44,87.955 ccw(c-43.877,87.955) -43.877,88.392 -58.511,88.392 cw(c-58.511,90.932) -60.307,89.136 -60.922,89.751 ccw(c-62.718,87.955) -62.716,90.495 ccw(c-62.718,87.955) -62.718,90.495 S204.2@-68.84,90.495 -71.628,90.495 ccw(c-71.628,87.955) -74.168,87.955 -74.168,76.109 ccw(c-71.628,76.109) -73.424,74.313 -72.759,73.648 cw(c-74.555,71.852) -72.015,71.852 S218.2@-72.015,68.905 ; S218.2@-72.015,68.905 -74.578,68.905 -74.578,68.901 ccw(c-75.825,66.365) -76.486,69.113 -76.487,69.112 ccw(c-75.825,66.365) -76.932,63.765 cw(c-77.031,63.531) -76.777,63.53 S232.2@-76.777,49.855 -62.833,49.855 ccw(c-62.833,50.109) -62.726,49.879 cw(c-61.537,47.315) -60.349,49.879 ccw(c-60.242,50.109) -60.242,49.855 S231.2@-57.727,49.855 -54.61,49.855 cw(c-54.61,47.315) -52.07,47.315 -52.07,43.597 ccw(c-49.53,43.597) -51.326,41.801 -48.946,39.421 cw(c-50.742,37.625) -48.202,37.625 S245.2@-48.202,30.805 -50.717,30.805 cw(c-50.717,31.059) -50.823,30.829 ccw(c-52.012,28.265) -53.201,30.829 cw(c-53.308,31.059) -53.308,30.805 S246.2@-67.252,30.805 -67.252,29.461 cw(c-67.506,29.46) -67.306,29.303 ccw(c-65.982,28.265) -67.664,28.32 -67.664,25.409 ccw(c-65.124,25.409) -66.92,23.613 -64.821,21.514 cw(c-66.617,19.718) -64.077,19.718 S259.2@-64.077,14.295